# EAGLE board Mk4 Final Panel 8up 4x2 (EAGLE 9.0.1), part 12 of 23 (continued)
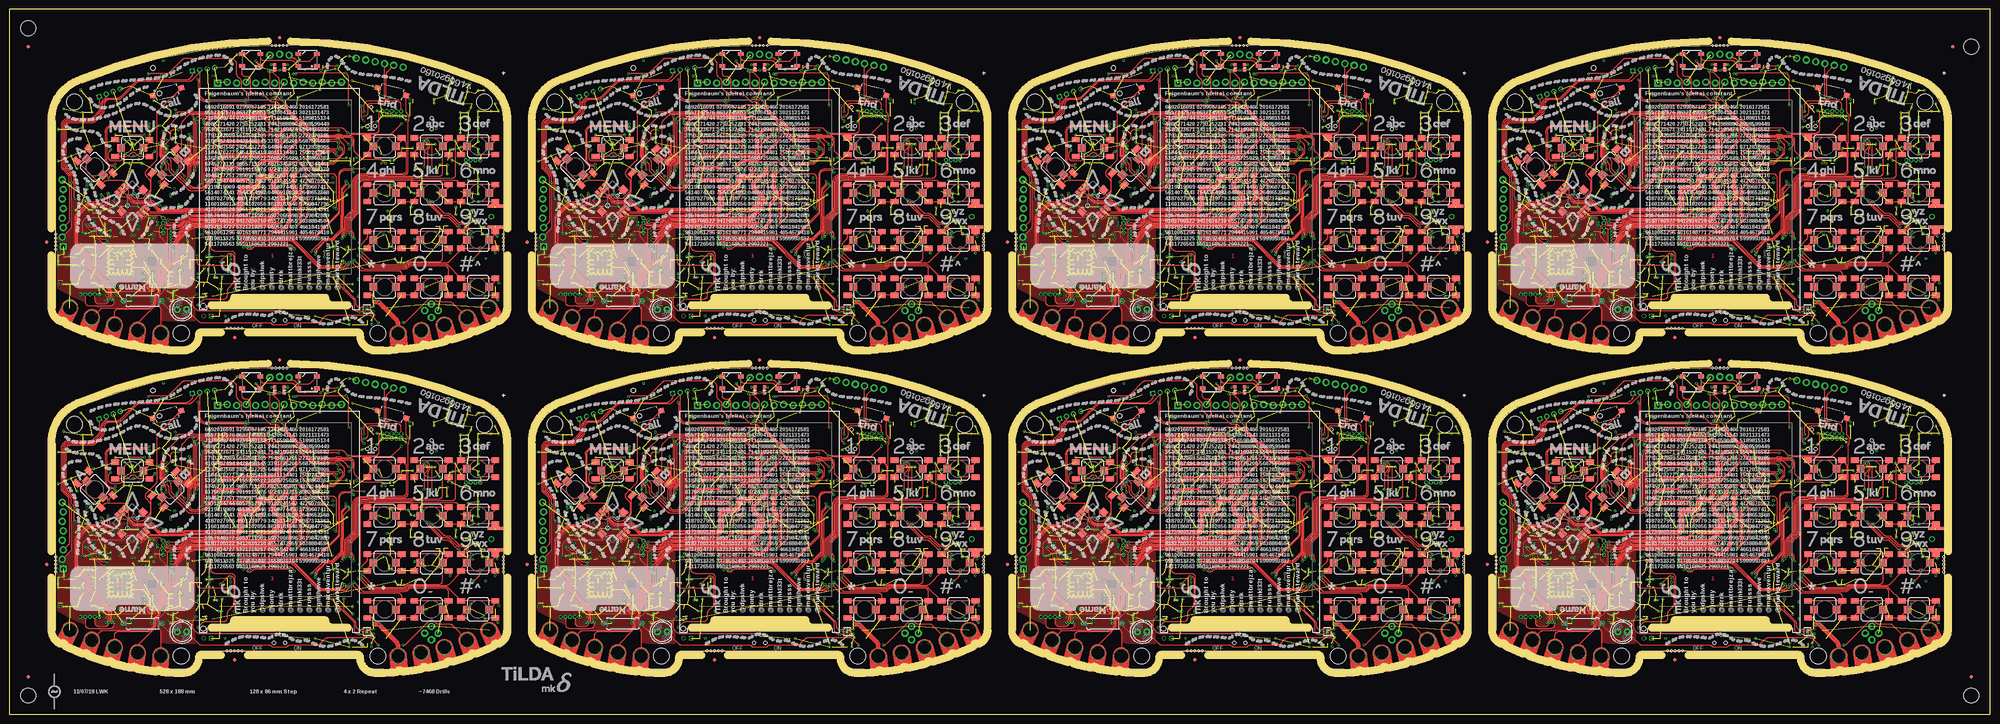
[diagram p0: board, top side]
## Tracks (layer width: path | path; a pad name or v marks a point on that pad's centre or on a via) (continued)
  Top 0.4: S136.A2 385.54,136.74 J69.G@3
  GND@3 0.4: v290.45,126.85 287.8,124.2 v287.8,123.85 | v285.5,129.5 284.75,128.75 284.75,124.6 v285.5,123.85 | v283,129.1 283.75,128.35 283.75,124.4 v284.3,123.85
  Bottom 0.15: J61.32 324.75,136.25 | J61.31 325.25,136 | J61.30 325.75,136 | J61.29 326.25,136 | J61.28 326.75,136 | J61.27 327.25,136 | J61.26 327.75,136 | J61.25 328.25,136 | J61.24 328.75,136 | J61.23 329.25,136 | J61.22 329.75,136 | J61.21 330.25,136 | J61.20 330.75,136 | J61.19 331.25,136 | J61.18 331.75,136 | J61.17 332.25,136 | J61.16 332.75,136 | J61.15 333.25,136 | J61.14 333.75,136 | J61.13 334.25,136 | J61.12 334.75,136 | J61.11 335.25,136 | IC110.58 v321.6,154.8 | IC110.55 v321.6,153.6 | IC113.3 343.05,172 v342.85,172.2 | ANT14.3 374.79,169.9 v374.15,169.9 | v373.7,168.75 373.8,168.65 373.94,168.65 373.84,168.75 v373.7,168.75 | ANT14.2 374.05,168.4 v373.7,168.75 | ANT14.4 378.28,168.2 v378.75,168.2 | IC119.PAD v286.1,121.1 | IC119.PAD v284.9,121.1 | IC119.PAD v284.9,119.9 | IC119.PAD v286.1,119.9 | v284.9,122.3 285.5,122.9 v285.5,123.85 | v284.3,123.85 284.3,122.9 v283.7,122.3 283.75,122.35 | v287.3,122.3 287.3,123.35 v287.8,123.85 | v343.5,116.75 C750.2 344,117.5 arc90 344.5,118 344.5,118.5 arc90 344,119 IC122.2 343.46,119 arc45 343.1,118.85 342.9,118.65 arc-45 342.54,118.5 IC122.4 | C752.2 352.45,108.5 | v369.25,164 C701.2 | C704.2 v369.25,163 | C702.2 v362.75,164 | C700.2 v362.75,163 | v286.55,153.4 286.25,153.7 R545.2
  Bottom 0.2: C663.1 330.6,141.85 IC110.10 | IC110.17 327.8,142.01 arc-45 327.65,141.65 C662.1 v327.5,140.75 | IC110.48 319.46,150.8 arc-45 C660.1 | IC110.114 336.74,150.4 arc45 337.44,150.69 C659.1 | IC110.80 327.8,160.05 327.98,160.22 | X28.4 275.88,119.42 275.7,119.6 v274.9,119.6 | X28.2 277.73,115.08 v277.8,115 | IC121.23 343.8,124.75 arc-45 343.66,124.81 343.25,125.22 arc-90 343.25,125.25 | 343.25,125.25 v343.25,125.5 | IC121.24 343.25,125.25 | IC121.18 345,121.25 v344.75,121 | IC121.9 v349.25,124.25 | IC114.17 308.5,119.5 v308,119 IC114.18 | J64.GND4 379,114.05 | 352.45,108.5 arc45 v353.05,108.75 | v293.3,155.5 C754.2 | IC116.4 349.98,155.72 C719.1
  Bottom 0.25: J61.50 315.75,135.45 v316.25,135.95 | J61.49 v316.25,135.95 | J61.48 316.75,135.45 v316.25,135.95 | J61.43 319.25,136 | J61.6 v337.75,133.5 | v330,138.75 330,139.62 C664.1 330.25,140.12 C663.1 | v318,151.1 C660.1 | v338.25,150.75 C659.1 | v328,161 C661.1 327.98,160.22 | C658.1 C666.1 v329,162.45 | v317,155.25 R477.2 | C665.1 327.05,162.25 v327.65,161.65 | v337.5,106.25 S145.1 | v313.5,106.25 S146.1 | C669.1 v324.7,161 | C668.1 v320.1,161 | v333.5,162.45 C667.1 | R539.2 v287.25,113.75 | v289.35,151.95 IC118.PAD v288.8,151.5 | C684.2 300.88,113.22 | v347.45,169 C655.1 | v330.5,172 C653.1
  Bottom 0.3: 339.45,172.3 v340.15,171.6 | v294,125 R538.2 | v276.25,128.25 C727.1 | v278.5,129 278.62,128.88 C732.2 | v358.5,141.25 C710.2 | v357.5,141.25 C707.2 | v358.5,147.75 C706.2 | C708.2 v357.5,147.75 | IC111.8 362.1,140.65 v362.25,140.5 | R512.2 v356.75,138.25 | R504.2 v356.75,132.25 | R511.2 v356.75,134.25 | IC111.13 364.1,146.65 v364.25,146.5 | IC111.21 372.9,146.65 v372.75,146.5 | Q27.2 356.65,128.15 R502.2 v355.75,128 | C719.1 v350,156.5 | v354,158 353.91,158.09 JP55.5 | C712.1 v361.75,159.5 | IC117.7 355.19,147.81 R523.1 v355.25,147 | v363.5,151 C697.1 | v367,152 366.5,151.5 C696.1 | C695.1 v369.5,152 | J64.GND3 373.21,124.06 arc-45 373.5,123.36 v373.5,123 | 385.38,126.5 J64.GND2 385.5,126.59 arc-45 385.79,127.29 v386,127.5 | 386.17,124 J64.C4 385.79,123.74 arc45 385.5,123.04 v385.5,123 | v386.5,115 386.38,115 J64.GND1 | v371.25,112.25 R527.2 372.93,112.25 Q26.2 | C698.1 v382.75,111.5 | J64.C5 378.85,115.65 v379,115.5 379,114.05 | v371,115.5 371.23,115.27 372.25,115.27 J64.GND6 | C652.1 v338.25,145 | C657.1 v341,148.25 | C656.1 v341,149.5 | Q25.4 Q25.EP2 | C678.1 v313.5,140.25 | IC109.28 299.07,140.25 v300,140.25 | C674.1 v296,152.25 | IC109.46 300.2,154.7 v300.25,154.75 | C677.1 v296,157 | IC109.54 299.89,161.1 arc45 v300.25,161.25 | IC109.52 v300.25,159.5 | C676.1 v312.75,161.75 | C672.1 v313.5,159.5 | IC109.6 309.4,157.1 v309.25,157.25 | C673.1 v313.5,154.75 | C675.1 v313.5,150.75 | R487.1 v315,121.25 | R489.2 v315,122.25 | R491.2 310.15,127.5 arc45 v310.75,127.75 | v294,138 C693.1 | v294.75,138 294.75,137.5 C693.1 | v293.25,138 293.25,137.5 C693.1 | IC109.12 309.3,152.3 v309.25,152.25 | R531.2 v277.25,134.45 | R532.2 v278.25,134.45
  Bottom 0.3: R519.2 v347,146.5 | v288.05,146.95 C725.2 | v370.75,146.5 370.7,146.55 IC111.19 370.7,149.2 v370.75,149.25 | R529.2 297.95,113.5 v298.2,113.75 | IC121.25 v345.5,124 | v328.6,164.55 328.68,164.55 X26.4 | X26.2 332.82,164.55 v332.95,164.55 | v344.5,173.5 C670.1 | v346.6,175.5 R481.2 | C654.1 v338.75,166.5 | C711.1 v345.9,148.45 | J66.8 J66.4 | J68.8 J68.4 | IC109.41 298.05,150.7 v298,150.75 | J64.GND5 379.11,126.91 v379.5,127.3 378.94,127.3 arc-45 378.23,127.59 IC115.3 | IC111.33 375.3,132.95 v375,133.25 | v379.45,137.6 C713.1 | v378.7,132.5 D14.2 | v378.7,133.5 C714.1 | v273.75,122.75 C717.1 | v270.5,122.75 C718.1 | 294.55,128.8 C735.2 293.95,128.8 | IC125.2 v352.6,105 | C755.2 v346.6,104 | IC125.3 v352.6,104 | v375,135.25 375.1,135.15 IC111.31
  Bottom 0.35: v294.55,128 294.55,128.8 | v293.95,128 293.95,128.8
  Bottom 0.4: C737.2 290.1,126.5 v290.45,126.85 | v293.25,125.5 C731.2 | v294,123.75 C743.2 | C733.2 290.12,131.62 v290.25,131.5 | C733.2 v289.25,132.75 | v288,132.75 C734.2 C733.2 | C738.2 284.9,128.9 v285.5,129.5 285.4,129.4 | C736.2 v283,129.1 | v281.5,129.4 282.1,128.8 C730.2 | v296.5,120.25 C748.1 | v296.5,121.25 C749.1 | v294.25,116.75 C744.2 | C740.2 v292,119 | C726.1 v283.75,135.25 | C746.1 v278.95,119.5 | C742.2 v278.25,120.25 | C728.2 v278.25,121.25 | C747.1 v278.95,115 | R530.2 v280,113.5 | R533.2 v281,113.5 | R540.2 v282,111.75 | C745.2 v285,111.75 | C739.2 v284,111.75 | v294.5,126.75 C741.2 293.4,127.64 arc45 v293.25,128 | IC120.4 277.12,140.16 arc45 v276.75,140 | v294.25,114.75 R497.2 | v341.5,124.5 C671.1 | v306.25,116.5 306.85,116.5 C691.2 306.85,117.5 v306.25,117.5 | S144.2 327.4,107 v328.25,107 | Q25.EP2 342.4,135.35 v342.5,135.25 | v342.5,139.25 IC112.4 | 304.75,126.75 C692.2 304.38,126.25 v303.5,126.25 | 304.62,127 v303.5,127 | C688.2 303.6,125.4 v303.5,125.5 | v303.25,123.25 303.25,122.33 C689.1 | 269,119.6 v269,119.75 ANT13.4 | ANT13.3 v269,114.75 | ANT13.2 270.25,115.7 v270.25,114.75 | C694.1 v294,111 | C694.1 293.5,111.75 v294,111.75 | C694.1 293.5,110.25 v294,110.25 | J67.4 296.94,169.81 v296.5,170.25 | C651.2 321.88,172.62 v321.75,172.75 | IC126.3 355.26,106.15 arc-45 354.56,106.44 C756.2 353.68,106.68 arc-45 v353.25,106.5 | TP131.TP 299.75,118.1 v299.6,117.95
  Bottom 0.5: v280.35,134.05 280.35,133.5 C729.2 279.35,133.5 v279.35,134.05
  Bottom 1: J62.1 349.05,112.8 C686.2 | C686.2 347.6,112.85 v347.5,112.75 | C686.2 v349,111.5 | v314.35,118 C687.2 312.65,116.85 v312.75,116.75
  other vias: 325.25,136.25 334.75,136.25 318.9,139.15 288.8,152.4 288.25,151.95 378.7,146.1 378.35,142.35 378,166 377.5,164.5 377,163 375.5,163 374,163.5 373,163.75 372.25,165 372.75,166.25 373.25,167.75 283.7,121.1 283.7,119.9 283.7,118.7 284.9,118.7 286.1,118.7 287.3,118.7 287.3,119.9 287.3,121.1 286.1,122.3 279,125.25 279,122.35 275,117.2 274.25,114.75 273.25,114.75 272.25,114.75 271.25,114.75 274,119.75 273,119.75 272,119.75 271.2,119.75 347,124 346.25,124.75 346.25,123.25 357.25,125.5 357.25,124.75 382,128 381,138.75 381,140.65 381,142.75 381,144.75 381,150.75 381,152.75 381,154.75 381,159.25 381,160.85 384.4,160.85 386.4,160.85 309.25,122 310,122 309.25,122.75 309.25,121.25 308.5,122 291.3,146.95 286.55,146.95 286.55,149.45 291.05,149.55 291.05,153.45 299.7,112.85 299.7,112.35 299.7,111.35 299.7,111.85 298.9,110.25 299.6,110.25 298.6,117.95 298.5,116.95 298.5,114.75 298.5,115.55 282.75,121.1 282.75,119.9 282.75,118.7 282.75,122.3 288.25,121.1 288.25,119.9 288.25,118.7 288.25,122.3 283.7,117.75 284.9,117.75 286.1,117.75 287.3,117.75 283.7,123.25 284.9,123.25 286.1,123.25 287.3,123.25 288.25,117.75 288.25,123.25 282.75,123.25 282.75,117.75 286.7,123.85 283.2,123.85 282.15,123.85 282.15,122.8 285.5,117.15 286.7,117.15 287.9,117.15 284.3,117.15 283.2,117.15 288.85,120.45 288.85,119.25 288.85,118.05 288.85,121.65 282.15,120.5 282.15,119.3 282.15,118.2 282.15,121.7 288.85,122.75 288.85,123.85 288.85,117.15 282.15,117.15 382.7,130 381.7,130 383.5,128 378,136.2 272.5,156 272.5,149 275.5,156.5 275.5,160.5 278,160.5 275,166.5 270.5,161.5 269,156 269,147.5 274,145.5 275.25,136.25 269,122.5 366,133.25 363,133.25 363,135.25 363,139.25 370,139.25 372.7,144.1 370,144.75 376,146.75 379.5,131.5 379.25,134.5 381,156.25 381,157.75 379,161.85 381,166.35 385.5,162.85 382.5,166.35 377.85,132.95 381,131.5 274.6,122.95 275.35,120.45 275.85,120.95 278,122.7 277,124.7 278,124.7 276.1,124.6 378.25,160.5 376.25,160.5 378.25,159 376.25,159 378.25,157.5 376.25,157.5 378.25,156 376.25,156 378.25,154.5 376.25,155 374.75,153 374.25,150.75 373.5,150.5 375.75,151 376.5,151.25 378,153 273.75,134.5 272,122.15 269,120.85 366,144.25 366,140.5 366,141.9
  pour GND@3 (isolate 0.254, rank 6): 268.2,160.5 268.2,107 arc31 300,98 302.7,98 arc90 305.5,100.8 arc-90 307.5,102.8 348.5,102.8 arc-90 350.5,100.8 arc90 353.3,98 356,98 arc31 387.8,107 387.8,130.5 381.5,130.5 381.5,160.5 387.8,160.5 arc64 381.25,168.25 arc24 328,178.5 arc24 274.75,168.25 arc55
  pour Bottom (rank 6): 335.25,134.9 335.25,136.25 335,136.5 325,136.5 324.75,136.25 324.75,134.9
  pour Bottom (isolate 0.254, rank 6): 268.2,160.5 268.2,114 arc9 279,109 279,121 281,121 281,127 279,127 279,129 arc90 278,130 277,130 arc-90 276,131 276,151.71 arc-90 288.79,164.5 296.5,164.5 300,168 358.5,167.5 arc-90 361,165 361,130.5 372.09,130.5 arc-45 372.79,130.21 375.21,127.79 arc45 375.91,127.5 387.8,127.5 387.8,130.5 381.5,130.5 381.5,160.5 387.8,160.5 arc64 381.25,168.25 arc24 328,178.5 arc24 274.75,168.25 arc55
  pour Bottom (rank 2, no thermals): 369.5,131 371,131 371,128.5 370.41,128.5 arc45 369.71,128.21 369.29,127.79 arc45 369,127.09 369,125 arc-90 368,124 357.5,124 arc-90 356.5,125 arc-90 357.5,126 365.75,126 arc90 366.75,127 366.75,127.09 arc-45 367.04,127.79 367.71,128.46 arc-45 368.41,128.75 368.59,128.75 arc45 369.29,129.04 369.5,129.25
  pour Bottom (no thermals): 319.5,137.5 319.5,136.2 319.3,136 319.2,136 319,136.2 319,137.25 318.5,137.75 318.5,139.3 318.7,139.5 319.05,139.5 319.25,139.3 319.25,137.75
  pour Bottom: 291.55,146.95 291.55,152.95 arc90 290.55,153.95 287.05,153.95 arc90 286.05,152.95 286.05,146.95 arc90 287.05,145.95 290.55,145.95 arc90
  pour Bottom (no thermals): 305.4,125 305.4,126.1 305.2,126.3 305.2,127.05 305,127.25 303.75,127.25 303.25,126.75 303.25,125.25 303.5,125
  pour Bottom (no thermals): 299.9,112.8 299.9,110.3 arc-90 299.4,109.8 298.45,109.8 arc-90 297.95,110.3 297.95,117.65 arc-90 298.45,118.15 299.55,118.15 arc-90 300.05,117.65 300.05,114.1 arc90 300.55,113.6 301.8,113.6 301.85,113.55 301.85,112.9 301.75,112.8
  pour Top (rank 6): 268.2,137 268.2,114 arc34 305,105 305.5,105 305.5,137
GND7  (via drill 0.3)  (433 unrouted)
  Top 0.15: IC142.3 480.3,108.65 480.25,108.6 IC142.2 | v479.3,107.5 IC142.PAD v479.3,108.5
  Top 0.2: 480.3,108.65 480.95,108.65 v481.05,108.75
  Top 0.3: S154.1 491.95,124.95 S154.A1 | S150.A1 479.45,124.95 S150.1 v481,125 | S151.A1 479.45,112 479.7,111.75 v481,111.75 S151.1 | S159.1 504.45,112.45 S159.A1 | S158.1 513.55,128.05 S158.A1 | 504.45,149.5 504.45,149.95 S156.1 v507.5,151.5 | 504.45,149.5 S156.A1 | S152.A1 491.95,149.95 S152.1 494,152 v495,152 | S148.A1 479.45,149.95 S148.1 482.25,151.5 v482.5,151.25 | S149.A1 479.45,137.45 S149.1 v482.5,139 | 491.95,137 491.95,137.45 S153.1 v492.05,139 | 491.95,137 S153.A1 | S148.A2 488.55,150.8 v488.75,151 | 504.2,149.25 504.45,149.5 | S157.A2 v509,136.75 | v507.5,139 S157.1 504.45,137.45 S157.A1 S153.A2 | 488.5,124.3 S150.A2 486.5,124.25 v486,124.75 | S154.1 493,127 | S159.A2 513.5,111.75 513.5,111.25 v514.25,110.5 | S155.A2 S159.A1 | v495,114 S155.1 491.95,112.45 S155.A1 S151.A2 | S149.A2 491.7,136.75 491.95,137 | S164.1 481.49,167.01 v481,167.5 | LED45.C v456.02,171.75 LED46.C | LED43.3 445.95,176 v444.75,176 | S156.A2 509.91,149.25 arc-45 509.21,149.54 v509,149.75 | 411.61,144.39 S161.A1 410.5,143.26 v410.5,143 409.62,143.88 S161.1 | S161.A2 405.57,151.21 arc-45 406.28,151.5 v406.5,151.5 | S159.A1 v506,111.75 | S152.A2 501.05,148.7 v502,147.75 | S154.1 493.25,126.75 v492,126.75 | S154.A2 501.5,123.8 v501.5,123 | S162.A2 v412.25,154.5 | S162.1 421.35,152.55 S162.A1 v421.35,154.5 | S163.1 422.5,164.72 v422.5,163.75 | S160.A1 424.81,141.19 v424,142 424.68,142.68 S160.1 | v430.5,146.5 431.61,147.61 S160.A2 | LED44.3 461.05,175.36 arc45 461.34,174.66 v461.4,174.6 | S158.A2 505.5,129.8 v505.5,130 | S158.A1 513.55,127.95 v514,127.5 | S158.A1 513.54,128.76 J79.G@4
  Top 0.4: S157.A2 513.54,136.74 J79.G@3
  GND@3 0.4: v418.45,126.85 415.8,124.2 v415.8,123.85 | v413.5,129.5 412.75,128.75 412.75,124.6 v413.5,123.85 | v411,129.1 411.75,128.35 411.75,124.4 v412.3,123.85
  Bottom 0.15: J71.32 452.75,136.25 | J71.31 453.25,136 | J71.30 453.75,136 | J71.29 454.25,136 | J71.28 454.75,136 | J71.27 455.25,136 | J71.26 455.75,136 | J71.25 456.25,136 | J71.24 456.75,136 | J71.23 457.25,136 | J71.22 457.75,136 | J71.21 458.25,136 | J71.20 458.75,136 | J71.19 459.25,136 | J71.18 459.75,136 | J71.17 460.25,136 | J71.16 460.75,136 | J71.15 461.25,136 | J71.14 461.75,136 | J71.13 462.25,136 | J71.12 462.75,136 | J71.11 463.25,136 | IC128.58 v449.6,154.8 | IC128.55 v449.6,153.6 | IC131.3 471.05,172 v470.85,172.2 | ANT16.3 502.79,169.9 v502.15,169.9 | v501.7,168.75 501.8,168.65 501.94,168.65 501.84,168.75 v501.7,168.75 | ANT16.2 502.05,168.4 v501.7,168.75 | ANT16.4 506.28,168.2 v506.75,168.2 | IC137.PAD v414.1,121.1 | IC137.PAD v412.9,121.1 | IC137.PAD v412.9,119.9 | IC137.PAD v414.1,119.9 | v412.9,122.3 413.5,122.9 v413.5,123.85 | v412.3,123.85 412.3,122.9 v411.7,122.3 411.75,122.35 | v415.3,122.3 415.3,123.35 v415.8,123.85 | v471.5,116.75 C858.2 472,117.5 arc90 472.5,118 472.5,118.5 arc90 472,119 IC140.2 471.46,119 arc45 471.1,118.85 470.9,118.65 arc-45 470.54,118.5 IC140.4 | C860.2 480.45,108.5 | v497.25,164 C809.2 | C812.2 v497.25,163 | C810.2 v490.75,164 | C808.2 v490.75,163 | v414.55,153.4 414.25,153.7 R623.2
  Bottom 0.2: C771.1 458.6,141.85 IC128.10 | IC128.17 455.8,142.01 arc-45 455.65,141.65 C770.1 v455.5,140.75 | IC128.48 447.46,150.8 arc-45 C768.1 | IC128.114 464.74,150.4 arc45 465.44,150.69 C767.1 | IC128.80 455.8,160.05 455.98,160.22 | X32.4 403.88,119.42 403.7,119.6 v402.9,119.6 | X32.2 405.73,115.08 v405.8,115 | IC139.23 471.8,124.75 arc-45 471.66,124.81 471.25,125.22 arc-90 471.25,125.25 | 471.25,125.25 v471.25,125.5 | IC139.24 471.25,125.25 | IC139.18 473,121.25 v472.75,121 | IC139.9 v477.25,124.25 | IC132.17 436.5,119.5 v436,119 IC132.18 | J74.GND4 507,114.05 | 480.45,108.5 arc45 v481.05,108.75 | v421.3,155.5 C862.2 | IC134.4 477.98,155.72 C827.1
  Bottom 0.25: J71.50 443.75,135.45 v444.25,135.95 | J71.49 v444.25,135.95 | J71.48 444.75,135.45 v444.25,135.95 | J71.43 447.25,136 | J71.6 v465.75,133.5 | v458,138.75 458,139.62 C772.1 458.25,140.12 C771.1 | v446,151.1 C768.1 | v466.25,150.75 C767.1 | v456,161 C769.1 455.98,160.22 | C766.1 C774.1 v457,162.45 | v445,155.25 R555.2 | C773.1 455.05,162.25 v455.65,161.65 | v465.5,106.25 S166.1 | v441.5,106.25 S167.1 | C777.1 v452.7,161 | C776.1 v448.1,161 | v461.5,162.45 C775.1 | R617.2 v415.25,113.75 | v417.35,151.95 IC136.PAD v416.8,151.5 | C792.2 428.88,113.22 | v475.45,169 C763.1 | v458.5,172 C761.1
  Bottom 0.3: 467.45,172.3 v468.15,171.6 | v422,125 R616.2 | v404.25,128.25 C835.1 | v406.5,129 406.62,128.88 C840.2 | v486.5,141.25 C818.2 | v485.5,141.25 C815.2 | v486.5,147.75 C814.2 | C816.2 v485.5,147.75 | IC129.8 490.1,140.65 v490.25,140.5 | R590.2 v484.75,138.25 | R582.2 v484.75,132.25 | R589.2 v484.75,134.25 | IC129.13 492.1,146.65 v492.25,146.5 | IC129.21 500.9,146.65 v500.75,146.5 | Q31.2 484.65,128.15 R580.2 v483.75,128 | C827.1 v478,156.5 | v482,158 481.91,158.09 JP64.5 | C820.1 v489.75,159.5 | IC135.7 483.19,147.81 R601.1 v483.25,147 | v491.5,151 C805.1 | v495,152 494.5,151.5 C804.1 | C803.1 v497.5,152 | J74.GND3 501.21,124.06 arc-45 501.5,123.36 v501.5,123 | 513.38,126.5 J74.GND2 513.5,126.59 arc-45 513.79,127.29 v514,127.5 | 514.17,124 J74.C4 513.79,123.74 arc45 513.5,123.04 v513.5,123 | v514.5,115 514.38,115 J74.GND1 | v499.25,112.25 R605.2 500.93,112.25 Q30.2 | C806.1 v510.75,111.5 | J74.C5 506.85,115.65 v507,115.5 507,114.05 | v499,115.5 499.23,115.27 500.25,115.27 J74.GND6 | C760.1 v466.25,145 | C765.1 v469,148.25 | C764.1 v469,149.5 | Q29.4 Q29.EP2 | C786.1 v441.5,140.25 | IC127.28 427.07,140.25 v428,140.25 | C782.1 v424,152.25 | IC127.46 428.2,154.7 v428.25,154.75 | C785.1 v424,157 | IC127.54 427.89,161.1 arc45 v428.25,161.25 | IC127.52 v428.25,159.5 | C784.1 v440.75,161.75 | C780.1 v441.5,159.5 | IC127.6 437.4,157.1 v437.25,157.25 | C781.1 v441.5,154.75 | C783.1 v441.5,150.75 | R565.1 v443,121.25 | R567.2 v443,122.25 | R569.2 438.15,127.5 arc45 v438.75,127.75 | v422,138 C801.1 | v422.75,138 422.75,137.5 C801.1 | v421.25,138 421.25,137.5 C801.1 | IC127.12 437.3,152.3 v437.25,152.25 | R609.2 v405.25,134.45 | R610.2 v406.25,134.45
  Bottom 0.3: R597.2 v475,146.5 | v416.05,146.95 C833.2 | v498.75,146.5 498.7,146.55 IC129.19 498.7,149.2 v498.75,149.25 | R607.2 425.95,113.5 v426.2,113.75 | IC139.25 v473.5,124 | v456.6,164.55 456.68,164.55 X30.4 | X30.2 460.82,164.55 v460.95,164.55 | v472.5,173.5 C778.1 | v474.6,175.5 R559.2 | C762.1 v466.75,166.5 | C819.1 v473.9,148.45 | J76.8 J76.4 | J78.8 J78.4 | IC127.41 426.05,150.7 v426,150.75 | J74.GND5 507.11,126.91 v507.5,127.3 506.94,127.3 arc-45 506.23,127.59 IC133.3 | IC129.33 503.3,132.95 v503,133.25 | v507.45,137.6 C821.1 | v506.7,132.5 D16.2 | v506.7,133.5 C822.1 | v401.75,122.75 C825.1 | v398.5,122.75 C826.1 | 422.55,128.8 C843.2 421.95,128.8 | IC143.2 v480.6,105 | C863.2 v474.6,104 | IC143.3 v480.6,104 | v503,135.25 503.1,135.15 IC129.31
  Bottom 0.35: v422.55,128 422.55,128.8 | v421.95,128 421.95,128.8
  Bottom 0.4: C845.2 418.1,126.5 v418.45,126.85 | v421.25,125.5 C839.2 | v422,123.75 C851.2 | C841.2 418.12,131.62 v418.25,131.5 | C841.2 v417.25,132.75 | v416,132.75 C842.2 C841.2 | C846.2 412.9,128.9 v413.5,129.5 413.4,129.4 | C844.2 v411,129.1 | v409.5,129.4 410.1,128.8 C838.2 | v424.5,120.25 C856.1 | v424.5,121.25 C857.1 | v422.25,116.75 C852.2 | C848.2 v420,119 | C834.1 v411.75,135.25 | C854.1 v406.95,119.5 | C850.2 v406.25,120.25 | C836.2 v406.25,121.25 | C855.1 v406.95,115 | R608.2 v408,113.5 | R611.2 v409,113.5 | R618.2 v410,111.75 | C853.2 v413,111.75 | C847.2 v412,111.75 | v422.5,126.75 C849.2 421.4,127.64 arc45 v421.25,128 | IC138.4 405.12,140.16 arc45 v404.75,140 | v422.25,114.75 R575.2 | v469.5,124.5 C779.1 | v434.25,116.5 434.85,116.5 C799.2 434.85,117.5 v434.25,117.5 | S165.2 455.4,107 v456.25,107 | Q29.EP2 470.4,135.35 v470.5,135.25 | v470.5,139.25 IC130.4 | 432.75,126.75 C800.2 432.38,126.25 v431.5,126.25 | 432.62,127 v431.5,127 | C796.2 431.6,125.4 v431.5,125.5 | v431.25,123.25 431.25,122.33 C797.1 | 397,119.6 v397,119.75 ANT15.4 | ANT15.3 v397,114.75 | ANT15.2 398.25,115.7 v398.25,114.75 | C802.1 v422,111 | C802.1 421.5,111.75 v422,111.75 | C802.1 421.5,110.25 v422,110.25 | J77.4 424.94,169.81 v424.5,170.25 | C759.2 449.88,172.62 v449.75,172.75 | IC144.3 483.26,106.15 arc-45 482.56,106.44 C864.2 481.68,106.68 arc-45 v481.25,106.5 | TP150.TP 427.75,118.1 v427.6,117.95
  Bottom 0.5: v408.35,134.05 408.35,133.5 C837.2 407.35,133.5 v407.35,134.05
  Bottom 1: J72.1 477.05,112.8 C794.2 | C794.2 475.6,112.85 v475.5,112.75 | C794.2 v477,111.5 | v442.35,118 C795.2 440.65,116.85 v440.75,116.75
  other vias: 453.25,136.25 462.75,136.25 446.9,139.15 416.8,152.4 416.25,151.95 506.7,146.1 506.35,142.35 506,166 505.5,164.5 505,163 503.5,163 502,163.5 501,163.75 500.25,165 500.75,166.25 501.25,167.75 411.7,121.1 411.7,119.9 411.7,118.7 412.9,118.7 414.1,118.7 415.3,118.7 415.3,119.9 415.3,121.1 414.1,122.3 407,125.25 407,122.35 403,117.2 402.25,114.75 401.25,114.75 400.25,114.75 399.25,114.75 402,119.75 401,119.75 400,119.75 399.2,119.75 475,124 474.25,124.75 474.25,123.25 485.25,125.5 485.25,124.75 510,128 509,138.75 509,140.65 509,142.75 509,144.75 509,150.75 509,152.75 509,154.75 509,159.25 509,160.85 512.4,160.85 514.4,160.85 437.25,122 438,122 437.25,122.75 437.25,121.25 436.5,122 419.3,146.95 414.55,146.95 414.55,149.45 419.05,149.55 419.05,153.45 427.7,112.85 427.7,112.35 427.7,111.35 427.7,111.85 426.9,110.25 427.6,110.25 426.6,117.95 426.5,116.95 426.5,114.75 426.5,115.55 410.75,121.1 410.75,119.9 410.75,118.7 410.75,122.3 416.25,121.1 416.25,119.9 416.25,118.7 416.25,122.3 411.7,117.75 412.9,117.75 414.1,117.75 415.3,117.75 411.7,123.25 412.9,123.25 414.1,123.25 415.3,123.25 416.25,117.75 416.25,123.25 410.75,123.25 410.75,117.75 414.7,123.85 411.2,123.85 410.15,123.85 410.15,122.8 413.5,117.15 414.7,117.15 415.9,117.15 412.3,117.15 411.2,117.15 416.85,120.45 416.85,119.25 416.85,118.05 416.85,121.65 410.15,120.5 410.15,119.3 410.15,118.2 410.15,121.7 416.85,122.75 416.85,123.85 416.85,117.15 410.15,117.15 510.7,130 509.7,130 511.5,128 506,136.2 400.5,156 400.5,149 403.5,156.5 403.5,160.5 406,160.5 403,166.5 398.5,161.5 397,156 397,147.5 402,145.5 403.25,136.25 397,122.5 494,133.25 491,133.25 491,135.25 491,139.25 498,139.25 500.7,144.1 498,144.75 504,146.75 507.5,131.5 507.25,134.5 509,156.25 509,157.75 507,161.85 509,166.35 513.5,162.85 510.5,166.35 505.85,132.95 509,131.5 402.6,122.95 403.35,120.45 403.85,120.95 406,122.7 405,124.7 406,124.7 404.1,124.6 506.25,160.5 504.25,160.5 506.25,159 504.25,159 506.25,157.5 504.25,157.5 506.25,156 504.25,156 506.25,154.5 504.25,155 502.75,153 502.25,150.75 501.5,150.5 503.75,151 504.5,151.25 506,153 401.75,134.5 400,122.15 397,120.85 494,144.25 494,140.5 494,141.9
  pour GND@3 (isolate 0.254, rank 6): 396.2,160.5 396.2,107 arc31 428,98 430.7,98 arc90 433.5,100.8 arc-90 435.5,102.8 476.5,102.8 arc-90 478.5,100.8 arc90 481.3,98 484,98 arc31 515.8,107 515.8,130.5 509.5,130.5 509.5,160.5 515.8,160.5 arc64 509.25,168.25 arc24 456,178.5 arc24 402.75,168.25 arc55
  pour Bottom (rank 6): 463.25,134.9 463.25,136.25 463,136.5 453,136.5 452.75,136.25 452.75,134.9
  pour Bottom (isolate 0.254, rank 6): 396.2,160.5 396.2,114 arc9 407,109 407,121 409,121 409,127 407,127 407,129 arc90 406,130 405,130 arc-90 404,131 404,151.71 arc-90 416.79,164.5 424.5,164.5 428,168 486.5,167.5 arc-90 489,165 489,130.5 500.09,130.5 arc-45 500.79,130.21 503.21,127.79 arc45 503.91,127.5 515.8,127.5 515.8,130.5 509.5,130.5 509.5,160.5 515.8,160.5 arc64 509.25,168.25 arc24 456,178.5 arc24 402.75,168.25 arc55
  pour Bottom (rank 2, no thermals): 497.5,131 499,131 499,128.5 498.41,128.5 arc45 497.71,128.21 497.29,127.79 arc45 497,127.09 497,125 arc-90 496,124 485.5,124 arc-90 484.5,125 arc-90 485.5,126 493.75,126 arc90 494.75,127 494.75,127.09 arc-45 495.04,127.79 495.71,128.46 arc-45 496.41,128.75 496.59,128.75 arc45 497.29,129.04 497.5,129.25
  pour Bottom (no thermals): 447.5,137.5 447.5,136.2 447.3,136 447.2,136 447,136.2 447,137.25 446.5,137.75 446.5,139.3 446.7,139.5 447.05,139.5 447.25,139.3 447.25,137.75
  pour Bottom: 419.55,146.95 419.55,152.95 arc90 418.55,153.95 415.05,153.95 arc90 414.05,152.95 414.05,146.95 arc90 415.05,145.95 418.55,145.95 arc90
  pour Bottom (no thermals): 433.4,125 433.4,126.1 433.2,126.3 433.2,127.05 433,127.25 431.75,127.25 431.25,126.75 431.25,125.25 431.5,125
  pour Bottom (no thermals): 427.9,112.8 427.9,110.3 arc-90 427.4,109.8 426.45,109.8 arc-90 425.95,110.3 425.95,117.65 arc-90 426.45,118.15 427.55,118.15 arc-90 428.05,117.65 428.05,114.1 arc90 428.55,113.6 429.8,113.6 429.85,113.55 429.85,112.9 429.75,112.8
  pour Top (rank 6): 396.2,137 396.2,114 arc34 433,105 433.5,105 433.5,137
GSM_ANT
  Bottom 0.4: L3.1 C72.2 123.26,49.6 arc45 122.56,49.31 121.59,48.34 arc-45 120.89,48.05 IC5.32
GSM_ANT1
  Bottom 0.4: L13.1 C173.2 251.26,49.6 arc45 250.56,49.31 249.59,48.34 arc-45 248.89,48.05 IC21.32
GSM_ANT2
  Bottom 0.4: L22.1 C281.2 123.26,135.6 arc45 122.56,135.31 121.59,134.34 arc-45 120.89,134.05 IC39.32
GSM_ANT3